# Allegro board R8-DEV-V1.0_FINAL.brd (continued)
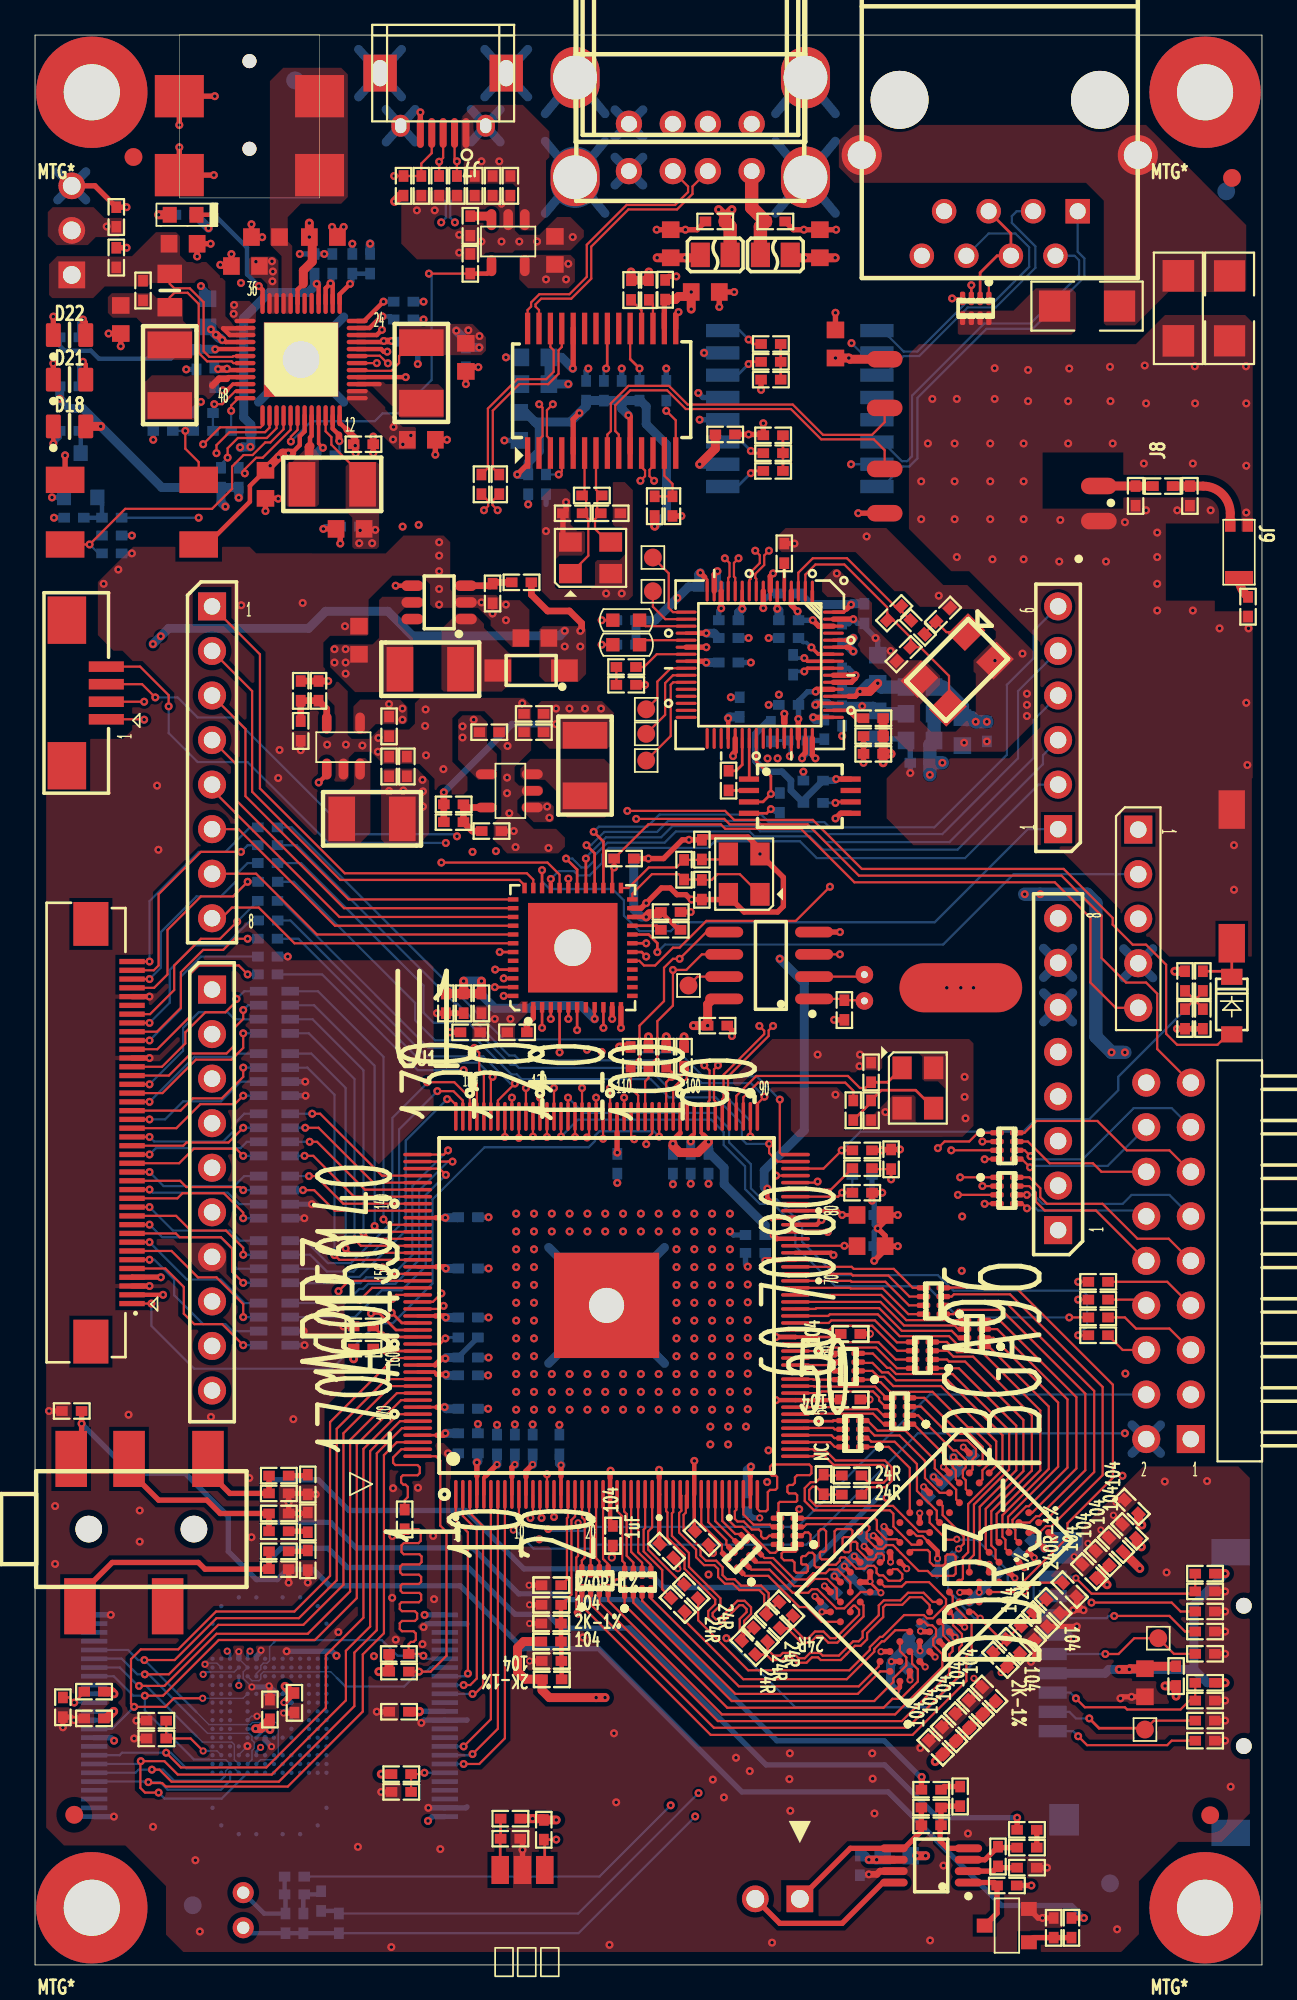
[diagram p0: board, top side]
## Routing (per net, layer and track width the routed paths; a pad name or vN(x,y) marks a point on that pad's centre or on a via; arc(x,y) is an arc through that point) (continued)
X2: length 6
  TOP w0.127: U39.7 32,84.1 R157.1 32.07,83.52 32.07,82.96 C262.2 31.94,82.43 31.94,81.87 32.69,81.12 X3.3
X24MI: length 11.9
  TOP w0.127: C206.2 47.36,49.99 47.05,49.99 46.37,50.68 41.13,50.68 40,49.55 U1.92
  TOP w0.152: X2.1 48.63,50.32 C206.2
X24MO: length 8.5
  TOP w0.127: R103.2 46.67,49.84 46.21,50.3 41.24,50.3 40.4,49.46 U1.91
XCLK: length 2.3
  TOP w0.127: J4.8 63.05,37.93 R130.1
XTL25N: length 9.4
  TOP w0.127: R171.1 49.4,77.21 R168.1 49.05,77.46 46.31,80.2 44.36,80.2 43.54,79.37 U41.3
XTL25P: length 14.6
  TOP w0.127: U41.2 43.94,79.26 44.51,79.84 46.16,79.84 48.61,77.39 R168.2 48.95,76.67 49.94,75.68 C275.2 50.5,75.12 52.13,73.49 52.13,71.74 Y1.3
N495902: length 18.5
  TOP w0.127: SW2.1 v1(3.11,80.98) 5.14,83.01 10.1,83.01 11.24,84.16 11.24,85.43 11.89,86.08 12.41,86.08 13.13,86.8 13.42,86.8 14.17,87.55 U33.4
  BOTTOM w0.127: R120.1 3.62,80.47 v1(3.11,80.98) 3.62,81.49 D4.1
N496496: length 2.3
  TOP w0.254: U33.8 15.77,87.17 15.68,87.08 15.68,86.58
  TOP w0.508: 15.63,86.04 15.63,86.53 15.68,86.58
N496956: length 3.6
  TOP w0.127: v1(10.22,88.98) 10.68,88.98 11.42,89.72 U33.47
  BOTTOM w0.127: v1(10.22,88.98) 10.15,88.91 C240.2 R117.1
N497310: length 2.5
  TOP w0.254: v1(19.87,94.83) 18.77,93.72 U33.24
  BOTTOM w0.254: C233.2 v1(19.87,94.83)
N497342: length 2.4
  TOP w0.254: v1(19.81,93.98) 19.74,93.98 19.08,93.32 U33.23
  BOTTOM w0.254: R114.2 20.29,93.98 v1(19.81,93.98)
N497492: length 1.3
  TOP w0.254: U33.15 19.65,90.12
N497618: length 2.1
  TOP w0.254: U33.45 11.02,90.52 10.93,90.43
  TOP w0.381: 10.93,90.43 10.5,90.43 10.11,90.04
N499376: length 3.6
  TOP w0.381: U32.5 24.62,65.99 C208.2 R105.1 24.94,64.64 R104.2
N502890: length 3.7
  TOP w0.381: R109.2 R110.1 C222.2 16.64,71.61 U34.5
N504051: length 2.7
  TOP w0.381: U35.3 25.98,78.63 R119.2 26.17,78.82 R116.1
N1435820: length 2.9
  TOP w0.127: U31.1 46.09,55.07 C205.2 47.27,55 X1.2
N1435862: length 2.9
  TOP w0.127: X1.1 47.19,56.34 U31.2
N7007752: length 4.3
  TOP w0.127: v1(8.57,87.46) 8.57,86.44 9.33,85.68 SW1.2
  BOTTOM w0.127: D3.2 v1(8.57,87.46) R117.2
N9574571: length 20.9
  TOP w0.508: R138.1 v1(67.88,22.31) ; R140.1 v1(67.88,16.09) ; v1(61.84,16.85) v1(62.42,16.85) 62.46,16.89 C249.2 63.45,17.03 R136.2
  BOTTOM w0.508: 66.1,16.85 66.86,16.09 v1(67.88,16.09) ; 66.1,16.85 v1(62.42,16.85) v1(61.84,16.85) 61.25,16.85 61.03,16.63 J5.4 ; 66.1,16.85 66.1,20.53 v1(67.88,22.31)
N9585613: length 3.3
  TOP w0.127: D12.1 v1(24.07,102.83) 23.93,102.96 J7.2
  BOTTOM w0.127: D12.1 v1(24.07,102.83)
N9585625: length 3.4
  TOP w0.127: D13.1 v1(23.05,102.8) 23.28,103.03 J7.3
  BOTTOM w0.127: D13.1 v1(23.05,102.8)
N9585817: length 1.3
  TOP w0.508: R147.2 25.83,99.7 U38.3
N16446089: length 2.2
  TOP w0.127: TP1.1 37.78,56.34 U31.7
N16485767: length 1.6
  TOP w0.508: D1.1 v1(7.05,99.78)
  BOTTOM w0.508: R113.2 v1(7.05,99.78)
N16502153: length 3.7
  TOP w0.152: R182.2 67.94,56.65 D19.2 SW3.1
N16685642: length 4.8
  TOP w0.127: 65.87,84.31 C267.1
  TOP w0.508: C263.1 66.62,84.31 arc(67.72,83.86) 68.17,82.76 J9.1
N16691699: length 4.6
  TOP w0.127: v2(9.59,12.2) 8.87,12.91 C242.2 C243.2
  BOTTOM w0.081: U37.K2 10.37,12.2 9.92,12.2 9.92,12.2
  BOTTOM w0.127: v2(9.59,12.2) 9.92,12.2
N16710211: length 2
  TOP w0.127: U39.4 30.05,85.15 v1(29.87,84.97)
  BOTTOM w0.127: R150.2 v1(29.87,84.97)
N16713582: length 5.2
  TOP w0.762: LB1.2 41.38,99.11 C254.2 40.87,100.19 P1.1
N16713618: length 3.4
  TOP w0.508: C257.2 39.36,99.68 ; 39.36,99.68 v1(39.75,100.08) ; 39.36,99.68 39.36,99.71 v1(38.99,100.08)
  TOP w0.762: LB2.2 39.65,99.11 C257.2
N16787284: length 2.4
  TOP w0.152: R167.2 39.99,68.08 40.34,68.43 U41.38
N16787298: length 4.7
  TOP w0.127: TP5.1 35.94,71.27 35.94,73.08 36.38,73.52 U41.26
N16787300: length 3.8
  TOP w0.127: U41.25 36.26,73.92 35.49,73.16 35.49,72.22 TP6.1
N16787317: length 1.9
  TOP w0.152: v1(41.97,65.9) 41.73,65.66 U42.4
  BOTTOM w0.127: v1(41.97,65.9) 42.18,65.69 R165.1
N16787324: length 1.9
  TOP w0.203: 46.48,71.52 U41.50
  TOP w0.381: 46.48,71.52 46.93,71.08 R160.2
N16787354: length 1.5
  TOP w0.127: D17.1 v1(32.32,76.66)
  BOTTOM w0.127: R170.1 v1(32.32,76.66)
N16787370: length 1.6
  TOP w0.152: v1(45.66,66.25) 45.71,66.31 U42.6
  BOTTOM w0.152: R166.2 v1(45.66,66.25)
N16787372: length 5.8
  TOP w0.127: U41.27 36.4,73.12 36.26,72.98 36.26,70.06 TP4.1
N16787386: length 3.1
  TOP w0.127: U41.18 35.95,76.72 35.24,77.43 TP7.1
N16787390: length 4.3
  TOP w0.127: TP8.1 36.14,79.34 36.14,77.37 36.39,77.12 U41.17
N16787403: length 5.5
  TOP w0.152: U41.40 41.14,68.61 41.97,67.77 v1(41.97,66.76) 41.52,66.31 U42.3
  BOTTOM w0.127: R165.2 42.02,66.81 v1(41.97,66.76)
N16787414: length 1.6
  TOP w0.203: R163.2 42.74,79.91 U41.5
N16787467: length 1
  TOP w0.127: J10.2 R164.2
N16787501: length 3.2
  TOP w0.127: U41.23 35.46,74.72 34.73,74 J10.1
N16787511: length 2.4
  TOP w0.203: v1(44.28,75.12) 44.67,74.72 U41.58
  BOTTOM w0.203: v1(44.28,75.12) 44,75.39 43.8,75.39 R162.2
N16787523: length 1.2
  TOP w0.152: U42.2 39.56,66.96 R167.1
N16787542: length 2.3
  TOP w0.152: U41.39 40.74,67.62 U42.1
N16787686: length 1.5
  TOP w0.127: D16.1 v1(32.32,75.27)
  BOTTOM w0.127: R161.2 v1(32.32,75.27)
N16792602: length 2
  TOP w0.152: R175.2 R174.2 C290.2
N16792695: length 8.5
  TOP w0.127: v1(54.41,95.97) RN28.1
  L3-SIG w0.127: T2.7 51.85,98.71 T2.8 51.67,96.35 54.03,96.35 v1(54.41,95.97)
N16792697: length 2
  TOP w0.152: C282.1 R172.1 R173.1
N16792724: length 16.7
  BOTTOM w0.127: T2.6 54.39,98.71 55.92,98.71 56.7,97.92 56.7,96.81 55.56,95.66 55.56,95.67 54.64,94.75 53.09,94.75 50.32,91.98 49.54,91.98 49.54,91.99 48.35,93.17 T1.9
N16792730: length 16.4
  BOTTOM w0.127: T2.3 55.99,99.98 55.71,99.7 55.71,99.32 57.06,97.98 57.06,96.76 54.8,94.5 53.2,94.5 50.43,91.73 49.54,91.73 48.45,90.63 T1.11
N16792736: length 20.7
  BOTTOM w0.127: T2.2 59.29,97.44 59.55,97.19 59.55,96.35 56.78,93.58 54.14,93.58 50.02,89.47 50.02,86.01 49.75,85.73 49.44,85.73 48.35,86.82 T1.14
N16792738: length 22.7
  BOTTOM w0.127: T2.1 59.47,97.67 59.85,97.29 59.85,96.22 56.91,93.28 54.27,93.28 50.33,89.34 50.33,85.88 49.87,85.43 49.5,85.43 48.35,84.28 T1.16
N16792746: length 6.7
  TOP w0.152: RN28.2 53.91,96.47 54.88,97.44 T2.4 55.66,98.71 T2.5
N16792752: length 10.6
  TOP w0.152: v1(53.41,95.77) RN28.3
  L3-SIG w0.127: v1(53.41,95.77) 49.87,95.77 v1(46.57,92.46)
  BOTTOM w0.127: T1.10 47.13,91.9 v1(46.57,92.46)
N16792768: length 14.1
  TOP w0.152: v1(52.31,95.01) RN28.4
  L3-SIG w0.127: v1(46.54,85.55) 46.54,89.59 51.96,95.01 v1(52.31,95.01)
  BOTTOM w0.127: T1.15 v1(46.54,85.55)
N16793584: length 3
  TOP w0.127: R171.2 50.75,75.93 C274.2 51.98,75.99 Y1.1
N16859189: length 9.9
  TOP w0.127: J3.5 7.43,39.7 8.48,38.65 8.48,37.13 9.08,36.53 10.67,36.53 v1(11.87,35.33)
  BOTTOM w0.127: RN21.5 v1(11.87,35.33)
N16859191: length 9.4
  TOP w0.127: J3.6 v1(6.53,40.2)
  BOTTOM w0.127: RN21.6 11.26,36.13 10.86,36.53 9.59,36.53 7.94,38.18 7.94,39.07 6.8,40.2 v1(6.53,40.2)
N16859207: length 9.2
  TOP w0.127: J3.7 7.78,40.7 9.29,39.2 10.35,39.2 11.87,37.68 v1(11.87,36.93)
  BOTTOM w0.127: RN21.7 v1(11.87,36.93)
N16859209: length 8.7
  TOP w0.127: J3.8 v1(6.53,41.2)
  BOTTOM w0.127: RN21.8 11.94,37.73 10.6,39.07 8.66,39.07 v1(6.53,41.2)
N16859211: length 9.2
  TOP w0.127: J3.9 8.03,41.7 8.25,41.49 10.6,41.49 11.24,40.85 11.24,39.52 v1(11.87,38.89)
  BOTTOM w0.127: RN23.5 v1(11.87,38.89)
N16859213: length 8.8
  TOP w0.127: J3.10 v1(6.53,42.2)
  BOTTOM w0.127: v1(6.53,42.2) 7.25,41.49 10.6,41.49 11.24,40.85 11.24,39.96 11.51,39.69 RN23.6
N16859215: length 8.4
  TOP w0.127: J3.11 8.04,42.7 8.88,41.87 10.89,41.87 11.87,40.88 v1(11.87,40.49)
  BOTTOM w0.127: RN23.7 v1(11.87,40.49)
N16859217: length 8
  TOP w0.127: J3.12 v1(6.53,43.2)
  BOTTOM w0.127: RN23.8 11.69,41.29 11.11,41.87 7.87,41.87 v1(6.53,43.2)
N16859652: length 8.1
  TOP w0.127: J3.13 8.12,43.7 8.41,43.99 10.77,43.99 11.87,42.89 v1(11.87,42.57)
  BOTTOM w0.127: RN24.5 v1(11.87,42.57)
N16859654: length 7.6
  TOP w0.127: J3.14 v1(6.53,44.2)
  BOTTOM w0.127: v1(6.53,44.2) 6.71,44.03 10.98,44.03 11.64,43.37 RN24.6
N16859656: length 7.7
  TOP w0.127: v1(11.87,46.13) 11.47,46.53 9.05,46.53 8.22,45.7 J3.17
  BOTTOM w0.127: RN25.5 v1(11.87,46.13)
N16859658: length 7.8
  TOP w0.127: J3.16 v1(6.53,45.2)
  BOTTOM w0.127: v1(6.53,45.2) 7.33,44.41 11.37,44.41 11.93,44.97 RN24.8
N16859660: length 7.4
  TOP w0.127: v1(11.87,44.17) 11.7,44.35 8.63,44.35 8.27,44.7 J3.15
  BOTTOM w0.127: RN24.7 v1(11.87,44.17)
N16859662: length 8.2
  TOP w0.127: J3.20 v1(6.53,47.2)
  BOTTOM w0.127: v1(6.53,47.2) 6.79,46.95 10.73,46.95 11.37,47.58 11.37,47.96 11.93,48.53 RN25.8
N16859664: length 7.6
  TOP w0.127: J3.19 8.46,46.7 8.64,46.89 11.03,46.89 v1(11.87,47.73)
  BOTTOM w0.127: RN25.7 v1(11.87,47.73)
N16859666: length 7.5
  TOP w0.127: J3.18 v1(6.53,46.2)
  BOTTOM w0.127: v1(6.53,46.2) 6.89,46.57 11.72,46.57 12.08,46.93 RN25.6
N16859668: length 8
  TOP w0.127: v1(11.87,49.56) 11.39,49.07 9.43,49.07 8.06,47.7 J3.21
  BOTTOM w0.127: RN26.5 v1(11.87,49.56)
N16859670: length 8.1
  TOP w0.127: J3.22 v1(6.53,48.2)
  BOTTOM w0.127: RN26.6 11.73,50.36 10.6,49.23 8.44,49.23 7.42,48.2 v1(6.53,48.2)
N16859672: length 9.1
  TOP w0.127: v1(11.87,53.11) 11.87,52.28 11.21,51.61 9.17,51.61 7.27,49.7 J3.25
  BOTTOM w0.127: RN27.5 v1(11.87,53.11)
N16859674: length 8.4
  TOP w0.127: J3.24 v1(6.53,49.2)
  BOTTOM w0.127: RN26.8 11.55,51.96 11.36,51.77 9.1,51.77 v1(6.53,49.2)
N16859676: length 8.5
  TOP w0.127: J3.23 8.3,48.7 9,49.4 10.65,49.4 11.87,50.63 v1(11.87,51.16)
  BOTTOM w0.127: RN26.7 v1(11.87,51.16)
N16859678: length 9.5
  TOP w0.127: J3.28 7.24,51.2 8.57,52.53 8.57,53.17 9.71,54.31 10.86,54.31 11.49,54.95 v1(11.49,55.07)
  BOTTOM w0.127: RN27.8 11.93,55.51 v1(11.49,55.07)
N16859680: length 9.8
  TOP w0.127: v1(11.87,54.44) 11.87,53.93 11.37,53.42 11.37,52.41 10.92,51.96 8.89,51.96 7.63,50.7 J3.27
  BOTTOM w0.127: RN27.7 12.15,54.71 v1(11.87,54.44)
N16859682: length 9.9
  TOP w0.127: J3.26 v1(6.53,50.2)
  BOTTOM w0.127: v1(6.53,50.2) 8.44,52.12 8.44,53.42 9.33,54.31 10.98,54.31 11.38,53.91 RN27.6
N16859896: length 10.8
  TOP w0.127: J3.30 6.97,52.2 8.83,54.06 8.83,56.47 9.33,56.98 11.62,56.98 v1(12.13,56.47)
  BOTTOM w0.127: R131.1 v1(12.13,56.47)
N16860217: length 10.7
  TOP w0.127: v1(11.53,59.48) 10.55,58.5 9.46,58.5 7.94,56.98 7.94,55.58 6.56,54.2 J3.34
  BOTTOM w0.127: v1(11.53,59.48) R134.1
N16860228: length 10.7
  TOP w0.127: J3.33 v1(6.53,53.7)
  BOTTOM w0.127: R133.1 12.28,59.55 10.86,58.12 9.08,58.12 7.68,56.73 7.68,54.86 v1(6.53,53.7)
N16860230: length 10.6
  TOP w0.127: v1(12.13,58.5) 11.37,58.5 10.73,57.87 9.59,57.87 8.32,56.6 8.32,54.57 6.96,53.2 J3.32
  BOTTOM w0.127: R132.1 v1(12.13,58.5)
N16870265: length 4.8
  TOP w0.305: R198.2 51.75,9.05 C317.1 R197.1 51.62,7.91 51.62,7.07 52.05,6.65 U44.4
N16870273: length 2.9
  TOP w0.305: C314.2 55,5.54 R191.1 54.65,5.35 U44.2
N16870291: length 5
  BOTTOM w0.254: MIC1.1 13.06,2.93 C315.2 14.29,3.97 R189.1 C313.1
N16870299: length 2.2
  BOTTOM w0.254: C312.2 15.3,3.97 R189.2 16.14,4.02 R188.2
N16870319: length 1.1
  TOP w0.127: 15.5,27.9 C320.1
  TOP w0.305: R195.2 15.5,27.9
N16870325: length 1.1
  TOP w0.127: 15.5,23.58 C318.1
  TOP w0.305: R193.2 15.5,23.58
N16870327: length 1.1
  TOP w0.127: 15.5,24.72 C319.1
  TOP w0.305: R194.2 15.5,24.72
N16870335: length 3.1
  TOP w0.305: U44.3 54.18,6 R191.2 54.98,6.69 R187.2
N16870380: length 2.5
  TOP w0.305: Q2.1 56.95,1.56 R196.1 R192.2
N16870384: length 2.9
  TOP w0.457: v1(47.56,6) v1(48.01,6) U44.6
  BOTTOM w0.508: FB2.1 48.23,6.22 v1(48.01,6) v1(47.56,6) 47.33,6.23 C316.2
N16870391: length 9.9
  TOP w0.305: CON1.1 46.5,6.65 U44.5 49.57,6.65 50.56,7.63 R197.2 C317.2
N16870411: length 4.3
  TOP w0.305: U44.1 54.71,4.7 R190.2 54.87,2.95 Q2.3
N16870415: length 9.5
  TOP w0.305: CON1.2 42.48,2.37 46.04,2.37 48.36,4.7 U44.8
N16880595: length 2.3
  BOTTOM w0.254: C309.2 R186.1 3.82,83.4 Q1.1
N16880599: length 1.3
  BOTTOM w0.254: R185.2 2.6,87.38 Q1.3
N16881564: length 2.6
  TOP w0.254: D21.1 2.89,91.23 v1(2.73,91.4)
  BOTTOM w0.254: v1(2.73,91.4) 2.53,91.19 R183.1
N16924180: length 2.1
  TOP w0.254: v1(2.73,93.81) 2.89,93.65 D22.1
  BOTTOM w0.254: R184.2 2.53,93.61 v1(2.73,93.81)
N16998285: length 5.8
  TOP w0.152: R103.1 47.69,49.18 C207.2 48.27,49.87 50.23,49.87 X2.3
N17029739: length 6.9
  TOP w0.127: U29.C7 47.26,20.51 47.26,19.87 45.76,18.37 45.25,18.37 44.87,18.75 44.59,18.75 44.21,18.37 43.72,18.37 42.9,19.19 R74.2
N17029768: length 6.9
  TOP w0.127: U29.B7 46.5,20.31 46.67,20.48 46.76,20.48 47,20.24 47,19.97 45.66,18.63 45.35,18.63 44.97,19.01 44.49,19.01 44.11,18.63 43.83,18.63 42.99,19.46 42.99,19.66 R75.2
N17030637: length 13
  TOP w0.127: R73.2 41.78,17.98 42.12,17.64 42.5,17.64 42.65,17.79 43.25,17.79 43.55,17.48 43.9,17.48 44.21,17.79 44.77,17.79 44.92,17.64 45.85,17.64 46.66,18.45 46.98,18.45 47.2,18.67 47.2,19.02 48.13,19.94 48.13,20.5 48.41,20.78 49.36,20.78 49.79,21.22 50.68,21.22 51.21,20.69 U29.G3
N17030639: length 13
  TOP w0.127: U29.F3 51.03,20.51 50.58,20.96 49.9,20.96 49.47,20.53 48.52,20.53 48.38,20.39 48.38,19.83 47.46,18.91 47.46,18.57 47.09,18.19 46.77,18.19 46.29,17.72 45.95,17.38 44.82,17.38 44.66,17.53 44.31,17.53 44.01,17.23 43.45,17.23 43.14,17.53 42.76,17.53 42.61,17.38 42.02,17.38 41.7,17.7 R72.2
N17030675: length 16
  TOP w0.127: R77.2 37.06,19.63 40.4,16.29 46.3,16.29 47.87,17.86 47.87,18.02 48.3,18.45 48.43,18.45 49.07,19.08 49.81,19.08 U29.D3
N17030677: length 23.1
  TOP w0.127: U29.E7 48.45,21.57 49.44,21.57 49.69,21.83 50.99,21.83 51.96,20.85 51.96,20.51 51.21,19.76 50.88,19.76 50.69,19.95 49.57,19.95 48.33,18.7 48.2,18.7 47.62,18.12 47.62,17.97 46.45,16.8 40.68,16.8 37.82,19.65 R76.2
N17031032: length 10.4
  TOP w0.127: v2(52.58,24.27) 52.55,24.24 52,24.24 51.03,25.22 U29.L8 ; R71.2 56.95,21.79 v2(56.45,21.29)
  BOTTOM w0.127: v2(52.58,24.27) 52.61,24.24 53.72,24.24 55.54,22.43 55.54,22.29 55.48,22.24 55.48,21.92 56.11,21.29 v2(56.45,21.29)
N17033718: length 1.7
  TOP w0.127: R154.2 35.24,94.69 U39.17
N17033755: length 1.9
  TOP w0.127: R153.2 34.6,94.33 U39.18
N17035750: length 3.2
  TOP w0.127: v1(36,88.6) 36.55,88.06 U39.14
  BOTTOM w0.127: R155.2 v1(36,88.6)
N17037881: length 3.2
  TOP w0.127: U39.19 33.94,91.55
  TOP w0.152: 33.94,91.55 v1(34.48,91.02)
  BOTTOM w0.152: R152.1 v1(34.48,91.02)
N17040762: length 3.1
  TOP w0.152: U39.21 32.64,93.29 32.64,91.08 v1(32.57,91.02)
  BOTTOM w0.152: v1(32.57,91.02) 32.45,90.89 R151.1
N17062262: length 1.2
  TOP w0.152: U43.3 v1(28.92,53.42)
N17062526: length 8.8
  TOP w0.127: X4.1 40.2,62.19 38.92,62.19 38.6,61.86 C306.2 38.01,61.88 R179.1 36.71,62.19 35.19,62.19 34.07,61.07 U43.24
N17062530: length 6.9
  TOP w0.127: U43.25 33.84,61.4 35.01,62.57 36.59,62.57 R179.2 38.01,63 C307.2 39.23,63.02 X4.3
N17076240: length 2.9
  TOP w0.152: U40.3 26.53,7.17 C268.2 R158.1
N17084954: length 11.2
  TOP w0.127: J3.37 6.79,55.7 7.56,56.47 7.56,59.01 9.46,60.92 11.29,60.92 v1(12.13,61.75)
  BOTTOM w0.127: R135.2 v1(12.13,61.75)
N17084958: length 11.3
  TOP w0.127: J3.38 v1(6.53,56.2)
  BOTTOM w0.127: v1(6.53,56.2) 7.17,56.85 7.17,58.88 9.21,60.92 10.6,60.92 11.49,61.81 11.49,62.19 12.13,62.82 R137.2
N17084962: length 12.5
  TOP w0.127: J3.39 6.77,56.7 7.05,56.98 7.05,61.04 9.46,63.46 v1(11.75,63.46)
  BOTTOM w0.127: v1(11.75,63.46) 12.13,63.84 R139.2
N17084966: length 12.4
  TOP w0.127: J3.40 v1(6.53,57.2)
  BOTTOM w0.127: v1(6.53,57.2) 6.53,60.65 9.33,63.46 10.86,63.46 12.25,64.85 R141.1
N166855440: length 1.2
  TOP w0.508: C264.1 69.09,78.1 arc(68.78,78.55) J9.3
N168704690: length 1
  TOP w0.305: C310.2 R187.1
N168705661: length 1.2
  TOP w0.305: R198.1 51.86,10.17 C321.2
N168806071: length 1.9
  TOP w0.254: D18.2 v1(1.04,86.73)
  BOTTOM w0.254: v1(1.04,86.73) 1.41,87.1 R185.1

## Copper pours and planes (outline as drawn; the poured copper is in the pictures)
A1V8 on L3-SIG: 49.85,69.17 51.62,69.17 52.13,68.66 52.13,68.41 51.24,67.52 50.61,67.52 49.59,68.54 49.59,68.92
AVCC on TOP: 27.94,66.32 29.31,66.32 29.59,66.04 29.59,65.28 29.46,65.15 28.45,65.15 27.76,65.84 27.76,66.14
AVDD on BOTTOM: 26.61,90.63 28.13,90.63 28.26,90.51 28.26,88.22 28,87.97 26.48,87.97 26.22,88.22 26.22,90.25
DVDD on TOP: 25.21,54.69 27.49,54.69 27.75,54.95 28.13,54.95 28.13,54.31 27.37,53.55 27.37,52.79 27.24,52.66 25.08,52.66 24.95,52.79 24.95,54.44
DVDD on TOP: 19.94,68.2 21.79,68.2 22.48,67.51 22.48,64.49 21.69,63.7 20.19,63.7 19.74,64.16 19.74,68
DVDD on BOTTOM: 28.89,89.62 30.54,89.62 30.92,90 30.92,91.52 30.29,92.16 28.76,92.16 28.76,89.75
DVDD on BOTTOM: 41.72,72.98 42.35,72.98 42.99,72.35 42.99,71.08 42.48,70.57 41.46,70.57 41.34,70.7 41.34,72.6
DVDD on L5_PWR: 2.09,0.72 0.82,1.99 0.82,109.05 1.21,109.43 68.9,109.43 69.28,109.05 69.28,89.75 69.47,89.75 69.47,82.18 69.47,82.18 69.47,81.72 68.9,81.72 68.9,82.18 64.5,82.18 64.5,77.78 67.3,77.78 67.3,77.17 69.47,77.17 69.47,74.89 69.4,74.89 69.4,1.73 68.39,0.72 ; 3 cut-outs
GND on TOP: 29.78,99.65 30.54,99.65 31.3,98.89 31.3,98.51 30.54,97.75 27.37,97.75 27.24,97.62 25.72,97.62 25.34,97.24 21.78,97.24 20.89,98.13 20.89,100.67 21.4,101.18 27.11,101.18 27.37,100.92 27.37,98.89 27.62,98.64 28.76,98.64
GND on TOP: 32.96,84.54 33.64,84.54 34.1,84.08 34.1,78.06 33.84,77.81 29.4,77.81 28.89,78.32 28.89,83.65 29.4,84.16 30.29,84.16 30.54,83.9 30.54,82.13 30.92,81.74 31.3,81.74 31.43,81.62 31.43,80.6 31.18,80.35 29.91,80.35 29.65,80.09 29.65,78.57 29.78,78.44 31.69,78.44 31.94,78.7 31.94,79.97 32.07,80.09 33.34,80.09 33.59,80.35 33.59,81.87 33.46,82 33.08,82 32.96,82.13
GND on TOP: 49.15,74.82 49.59,74.38 50.74,74.38 51.62,73.49 51.62,72.98 50.48,71.84 50.48,70.95 51.12,70.31 52.51,70.31 53.66,71.46 53.66,73.62 53.53,73.74 53.53,74.38 54.8,75.65 54.8,76.03 53.53,77.3 52.64,77.3 52.26,76.92 52.13,76.92 51.62,77.43 50.48,77.43 49.59,78.32 49.03,78.32 46.8,80.55 42.58,80.55 42.28,80.86 42.28,81.39 42.81,81.92 48.55,81.92 51.8,78.67 53.17,78.67 56.96,74.89 56.96,70.82 55.31,69.17 49.85,69.17 48.83,70.19 48.83,73.36 48.32,73.87 48.09,73.87 46.93,75.04 46.93,77.58 46.52,77.99 45.2,77.99 44.89,78.29 44.89,78.93 45.55,79.59 45.81,79.59 47.74,77.66 47.74,76.41 49.15,75
GND on TOP: 53.28,52.79 53.53,52.53 53.53,47.84 52.89,47.2 43.5,47.2 43.12,47.58 43.12,49.36 42.73,49.74 42.1,49.74 41.97,49.87 41.97,49.99 42.1,50.12 45.66,50.12 46.16,49.61 46.16,47.84 46.42,47.58 47.18,47.58 47.18,48.34 47.31,48.47 47.81,48.47 48.96,49.61 50.1,49.61 50.23,49.49 50.23,48.09 50.35,47.96 51.75,47.96 52.01,48.22 52.01,49.87 51.5,50.38 50.74,50.38 50.61,50.5 50.61,51.77 50.35,52.03 48.58,52.03 48.32,51.77 48.32,51.14 48.2,51.01 46.93,51.01 46.8,50.88 41.08,50.88 40.32,50.12 39.94,50.12 39.81,50.25 39.81,50.63 41.97,52.79
GND on TOP: 64.69,57.49 63.74,58.43 62.24,58.43 61.91,58.76 61.91,60.15 58.23,63.84 50.1,63.84 48.58,65.36 48.58,67.65 49.72,68.79 55.56,68.79 57.34,70.57 57.34,75.39 53.28,79.46 52.26,79.46 49.85,81.87 49.85,91.83 50.42,92.41 62.79,92.41 64.45,94.06 69.02,94.06 69.45,93.63 69.45,81.72 68.81,81.72 68.81,82.85 68.15,84.3 66.7,84.94 62.05,84.94 62.05,83.67 66.67,83.67 67.29,83.4 67.54,82.78 67.54,82.18 64.5,82.18 64.5,77.78 67.3,77.78 67.3,77.17 69.45,77.17 69.45,67.65 69.4,67.65 69.4,57.49
GND on TOP: 0.64,69.09 1.45,69.9 5.03,69.9 5.54,70.41 5.54,74.37 4.98,74.93 4.47,74.93 3.58,75.82 3.58,78.84 5.59,80.85 12.24,80.85 12.62,80.48 15.8,80.48 15.81,80.47 20,80.47 21.02,81.49 23.3,81.49 23.68,81.11 23.68,78.42 24,78.11 26.31,78.11 26.61,77.81 27.65,77.81 28.19,77.27 28.19,75.13 27.2,75.13 25.98,76.35 25.98,76.65 25.27,77.37 22.73,77.37 22.53,77.56 22.53,78.71 22.03,79.2 20.38,79.2 19.02,77.85 19.02,75.87 18.93,75.78 16.83,75.78 16.45,75.39 16.45,74 17.83,72.62 17.83,70.13 18.06,69.9 19.08,69.9 19.61,70.43 21.34,70.43 21.67,70.76 21.67,71.93 21.97,72.24 27.89,72.24 28.3,71.83 28.3,69.24 27.36,68.3 27.36,67.49 27.61,67.23 28.83,67.23 28.96,67.11 28.96,66.8 28.8,66.65 27.76,66.65 27.51,66.4 27.51,65.71 28.45,64.77 29.72,64.77 30.23,64.26 30.23,63.75 29.84,63.37 26.92,63.37 26.16,64.14 26.16,65.1 26.59,65.53 26.59,69.22 26.14,69.67 26.14,70.97 25.63,71.48 24.21,71.48 23.8,71.07 23.8,68.61 24.66,67.74 24.66,66.95 24.43,66.73 23.09,66.73 22.78,67.03 22.78,67.61 21.92,68.48 19.84,68.48 19.15,69.16 18.24,69.16 17.88,68.81 17.88,67.67 17.68,67.46 16.69,67.46 16.08,66.85 16.08,63.78 14.66,62.36 9.14,62.36 14.22,57.28 22.35,57.28 22.73,56.9 22.73,48.77 17.65,43.69 17.65,32.89 16.51,31.75 16.51,30.73 16.61,30.63 16.61,22.28 14.94,20.6 14.94,20.45 15.09,20.29 15.88,20.29 16,20.42 19.76,20.42 20.04,20.7 20.04,28.68 21.12,29.76 23.3,29.76 23.72,29.34 23.72,25.12 24.99,23.85 28.42,23.85 28.45,23.88 29.29,23.88 29.46,23.7 29.46,19.94 30.35,19.05 31.24,19.05 37.85,12.45 50.16,12.45 54.99,17.27 54.99,19.28 59.69,23.98 59.69,24.89 63.22,28.42 68.63,28.42 69.29,27.76 69.29,8.64 67.67,7.01 65.2,7.01 62.97,4.78 62.97,1.75 61.95,0.74 8.46,0.74 7.47,1.73 7.47,4.5 5.16,6.81 1.65,6.81 0.64,7.82 ; 7 cut-outs
GND on BOTTOM: 8.19,0.72 7.17,1.73 7.17,5.16 5.52,6.81 2.09,6.81 0.95,7.96 0.95,26.25 3.15,28.45 20.97,28.45 22.8,26.63 30.29,26.63 31.05,27.39 31.05,29.55 30.67,29.93 25.34,29.93 24.95,30.31 24.95,45.17 25.46,45.68 37.27,45.68 41.46,41.49 43.5,41.49 43.5,43.64 43.12,44.03 43.12,49.99 42.1,51.01 38.42,51.01 36.26,53.17 27.24,53.17 14.92,65.49 7.68,65.49 6.79,66.38 6.79,73.74 10.48,77.43 20.38,77.43 21.02,78.06 21.02,83.4 20.26,84.16 13.52,84.16 12.38,83.01 4.63,83.01 0.7,86.95 0.7,102.32 1.46,103.08 4.76,103.08 7.17,105.49 7.17,109.18 7.43,109.43 62.8,109.43 63.05,109.18 63.05,105.37 65.21,103.21 69.09,103.21 69.47,102.83 69.47,82.18 69.47,82.18 69.47,81.72 68.9,81.72 68.9,82.18 64.5,82.18 64.5,77.78 67.3,77.78 67.3,77.17 69.47,77.17 69.47,55.2 69.4,55.07 69.4,8.72 69.28,8.59 66.61,8.59 62.93,4.91 62.93,1.35 62.29,0.72 ; 12 cut-outs
GND on L2_GND: 0.51,7.59 0.51,93.75 0.95,94.19 3.24,94.19 6.29,91.14 11.64,91.14 12.06,91.57 12.06,95.08 11.81,95.33 7.56,95.33 4.89,98 4.89,99.78 4.25,100.41 0.51,100.41 0.51,102.82 0.84,103.15 4.93,103.15 6.81,105.03 6.81,109.26 7.06,109.52 62.94,109.52 63.06,109.4 63.09,109.4 63.25,109.25 63.25,105.28 65.28,103.25 68.99,103.25 69.47,102.77 69.47,89.75 69.47,82.18 64.5,82.18 64.5,77.78 67.3,77.78 67.3,77.17 69.47,77.17 69.47,7.62 69.47,7.62 68.58,6.73 65.07,6.73 63.14,4.8 63.14,0.84 62.81,0.51 7.21,0.51 6.88,0.84 6.88,4.85 4.78,6.96 1.14,6.96 ; 1 cut-out
GND on L3-SIG: 69.35,0.64 0.64,0.64 0.64,109.39 69.35,109.39 69.35,81.72 68.92,81.72 68.9,81.74 68.9,82.18 64.5,82.18 64.5,77.78 67.27,77.78 67.29,77.75 67.29,77.17 69.35,77.17 ; 21 cut-outs
GND on L4-SIG: 69.35,0.64 0.64,0.64 0.64,109.39 69.35,109.39 69.35,81.72 68.92,81.72 68.89,81.75 68.89,82.18 64.5,82.18 64.5,77.78 67.27,77.78 67.29,77.75 67.29,77.17 69.35,77.17 ; 14 cut-outs
VBAT-EXT on TOP: 4.38,95.31 6.67,95.31 6.97,95 8.34,95 8.44,94.9 8.44,93.73 8.98,93.2 8.98,91.68 8.8,91.5 6.26,91.5 6.18,91.57 6.18,93.5 5.78,93.91 4.43,93.91 4.15,94.19 4.15,95.08
VCC-5V on TOP: 31.43,76.14 31.43,73.6 30.99,73.15 29.08,73.15 28.76,73.47 28.76,76.14 28.96,76.33 31.24,76.33
VCC-5V on TOP: 27.62,97.37 27.62,96.1 28.13,95.59 30.42,95.59 30.8,95.97 30.8,97.24 30.54,97.49 27.75,97.49
VCC-5V on BOTTOM: 31.69,76.29 31.69,75.22 31.32,74.85 29.84,74.85 29.53,75.17 29.53,76.34 29.64,76.45 31.52,76.45
VCC-5V on L3-SIG: 30.29,77.93 31.18,77.93 31.43,77.68 31.43,75.12 31.24,74.93 30.1,74.93 29.97,75.06 29.97,77.62
VCC-5V on L4-SIG: 29.02,97.62 30.29,97.62 30.8,97.11 30.8,95.97 30.54,95.71 28.89,95.71 28.64,95.97 28.64,97.24
VCC-5V on L4-SIG: 30.29,77.93 31.18,77.93 31.56,77.55 31.56,76.28 31.3,76.03 30.29,76.03 29.91,76.41 29.91,77.55
ACIN-5V on TOP: 14.16,108.16 17.46,108.16 17.84,107.78 17.84,100.79 17.46,100.41 15.18,100.41 14.41,99.65 14.41,98.26 14.67,98.01 14.67,94.14 14.06,94.14 14.06,97.42 13.4,98.08 13.4,107.4
BAT on TOP: 11.01,92.82 10.7,93.12 10.27,93.12 10.04,93.35 10.04,95.44 9.59,95.89 6.62,95.89 6.41,95.69 3.97,95.69 3.31,95.03 0.98,95.03 0.8,95.21 0.8,96.96 1.26,97.42 5.52,97.42 6.89,98.79 8.04,98.79 8.27,98.56 8.27,97.47 8.65,97.09 9.76,97.09 10.86,95.99 10.86,93.99 11.4,93.45 12.46,93.45 12.56,93.35 12.56,92.9 12.48,92.82
CORE-VDD on TOP: 20.89,93.56 24.95,93.56 25.72,92.79 25.72,92.03 25.46,91.78 20.76,91.78 20.76,93.43
CORE-VDD on L5_PWR: 21.78,93.94 25.67,93.94 31.56,88.05 31.56,75.62 29.16,73.22 29.16,69.62 32.15,66.63 42.35,66.63 47.56,61.42 47.56,39.58 46.93,38.95 37.27,38.95 37.02,39.2 37.02,47.33 37.27,47.58 39.94,47.58 40.7,48.34 40.7,56.6 35.75,61.55 30.54,61.55 25.68,66.41 25.68,84.61 21.4,88.89 21.4,93.56
CPU-VDD on TOP: 17.97,85.68 19.49,85.68 19.62,85.55 19.62,80.86 19.49,80.73 18.2,80.73 18.1,80.84 18.1,82.51 17.72,82.89 17.72,85.43
CPU-VDD on BOTTOM: 23.43,27.26 21.56,29.13 5.43,29.13 1.97,32.6 1.97,76.03 8.06,82.13 13.65,82.13 14.92,83.4 19.49,83.4 20.26,82.63 20.26,79.33 18.99,78.06 8.72,78.06 5.9,75.25 5.9,34.75 7.44,33.22 18.22,33.22 22.16,37.17 24.32,37.17 24.45,37.04 24.45,36.41 24.32,36.28 23.3,36.28 23.05,36.02 23.05,34.37 23.43,33.99 24.32,33.99 24.45,33.87 24.45,30.06 25.08,29.42 30.29,29.42 30.54,29.17 30.54,27.9 29.91,27.26
DRAM-VCC on TOP: 28.88,72.06 32.33,72.06 33.02,71.37 33.02,69.72 32.64,69.34 29.34,69.34 28.65,70.03 28.65,71.83
DRAM-VCC on L5_PWR: 55.43,74.12 60.32,69.24 60.32,51.33 63.69,47.96 63.69,13.8 57.47,7.58 32.32,7.58 31.56,8.34 31.56,33.87 31.94,34.25 34.61,34.25 35.5,35.14 35.5,37.55 36.26,38.31 47.81,38.31 48.32,38.82 48.32,61.68 42.99,67.01 32.66,67.01 29.51,70.15 29.51,71.83 31.81,74.12
ETH_CHASSIS_GND on TOP: 46.74,104.9 63.37,104.9 69.09,99.19 69.09,95.5 68.96,95.38 64.64,95.38 62.74,93.47 61.09,93.47 60.96,93.6 60.96,100.58 59.94,101.6 46.74,101.6 45.85,102.49 45.85,104.01
IPSOUT on TOP: 17.87,89.85 18.93,89.85 19.98,88.81 19.98,88.68 20.97,87.69 21.65,87.69 21.73,87.61 21.73,86.44 21.68,86.39 20.61,86.39 19.16,87.84 19.16,87.82 17.79,89.19 17.79,89.77
IPSOUT on TOP: 16.83,74 16.83,75.07 17.04,75.29 19.26,75.29 19.62,75.65 19.62,77.81 19.82,78 21.96,78 22.16,77.81 22.16,77.55 21.97,77.37 21.09,77.37 20.7,76.98 20.7,76.5 21.56,75.64 21.56,72.57 18.26,72.57
IPSOUT on TOP: 18.54,72.14 20.83,72.14 21.23,71.73 21.23,70.89 21.08,70.74 19.43,70.74 18.87,70.18 18.34,70.18 18.16,70.36 18.16,71.75
IPSOUT on TOP: 12.33,97.39 13.66,97.39 13.91,97.14 13.91,94.22 13.83,94.14 13.32,94.14 13.24,94.22 13.24,95.82 12.89,96.17 12.46,96.17 12.2,96.43 12.2,97.26
IPSOUT on TOP: 24.38,71.25 25.4,71.25 25.78,70.87 25.78,69.6 26.34,69.04 26.34,67.74 26.16,67.56 25.27,67.56 24.13,68.71 24.13,70.99
IPSOUT on L5_PWR: 9.46,99.52 15.43,99.52 20.76,94.19 20.76,88.53 25.21,84.09 25.21,70.32 24.61,69.72 17.42,69.72 14.79,72.35 14.79,82.51 8.7,88.6 8.7,98.76 ; 1 cut-out
TS on TOP: 1.23,98.05 3.01,98.05 3.47,98.51 4.78,98.51 5.03,98.76 5.03,99.5 4.93,99.6 3.95,99.6 3.34,100.21 1,100.21 0.72,99.93 0.72,98.56
TS on TOP: 11.13,94.69 11.13,93.93 11.46,93.6 12.5,93.6 12.6,93.7 12.6,94.49 12.22,94.87 11.3,94.87
TS on L2_GND: 6.52,91.41 3.49,94.44 0.82,94.44 0.51,94.76 0.51,99.84 0.7,100.03 4,100.03 4.51,99.52 4.51,97.75 7.28,94.97 11.66,94.97 11.79,94.84 11.79,91.69 11.51,91.41
USBVBUS on TOP: 29.15,102.87 29.15,99.65 28.38,98.89 27.75,98.89 27.62,99.02 27.62,101.18 27.24,101.56 24.7,101.56 24.45,101.81 24.45,102.83 24.32,102.95 24.32,105.24 24.37,105.29 24.37,105.4 25.02,106.05 27.81,106.05 29.34,104.52 29.34,103.06
N496496 on TOP: 14.41,83.14 16.06,83.14 16.19,83.27 16.19,86.19 15.94,86.44 15.43,86.44 14.67,85.68 14.49,85.68 14.35,85.55 14.35,83.2
N497492 on TOP: 19.29,90.25 19.87,90.25 20,90.13 23,90.13 23.3,89.82 23.3,88.22 23.28,88.2 20.86,88.2 20.51,88.55 20.51,88.73 19.16,90.08 19.16,90.13
N497618 on TOP: 6.29,88.09 9.08,88.09 9.33,88.35 9.33,88.66 10.48,89.8 10.48,90.34 10.19,90.63 6.66,90.63 6.03,90 6.03,88.35
N499488 on TOP: 28.24,68.76 32.46,68.76 32.89,68.33 32.89,65.79 32.51,65.41 30.35,65.41 29.97,65.79 29.97,66.67 29.08,67.56 27.86,67.56 27.69,67.74 27.69,68.2
N502982 on TOP: 18.44,68.81 18.82,68.81 19.13,68.5 19.13,64.54 18.44,63.86 16.87,63.86 16.56,64.16 16.56,66.65 16.84,66.93 17.83,66.93 18.19,67.28 18.19,68.55
N503747 on TOP: 24.07,77.05 25.02,77.05 25.61,76.46 25.61,76.22 27.18,74.65 27.18,73.15 26.62,72.59 23.31,72.59 23.18,72.73 23.18,76.16
N16713618 on L3-SIG: 38.61,99.44 41.02,99.44 42.29,100.71 42.29,105.54 41.53,106.3 40.13,106.3 39.12,105.28 39.12,102.11 38.35,101.35 38.35,99.69
N16792794 on TOP: 52.76,94.32 55.82,94.32 57.09,95.59 59.12,95.59 59.37,95.33 59.37,93.2 59.11,92.94 52.7,92.94 52.63,93.01 52.63,94.18

## Text on the board
Ref Des/Assembly Top: D22 | D21 | D18 | SW1 | SW2 | 1 | 10 | J7 | U1 | J9 | J6 | SW3
Ref Des/Silkscreen Top: 1
PAGE_OUTLINE: DRAM
User.15: FIGURE | SIZE | 8.0 | 10.0 | 15.748 | 27.559 | 31.5 | 35.433 | 36.0 | 37.0 | 40.0 | 63.0 | 78.74 | 82.677 | 82.681 | 98.425 | 126.0 | 35.429 | 62.988 | 130.0 | 33.5x25.598 | 59.098x32.701 | DRILL CHART: TOP to BOTTOM | ALL UNITS ARE IN MILS | TOLERANCE | +0.0/-0.0 | +3.0/-3.0 | PLATED | NON-PLATED | QTY | 97 | 967 | 3 | 2 | 8 | 55 | 1 | 4
